# KiCad board demo_matrix2.kicad_pcb (continued)
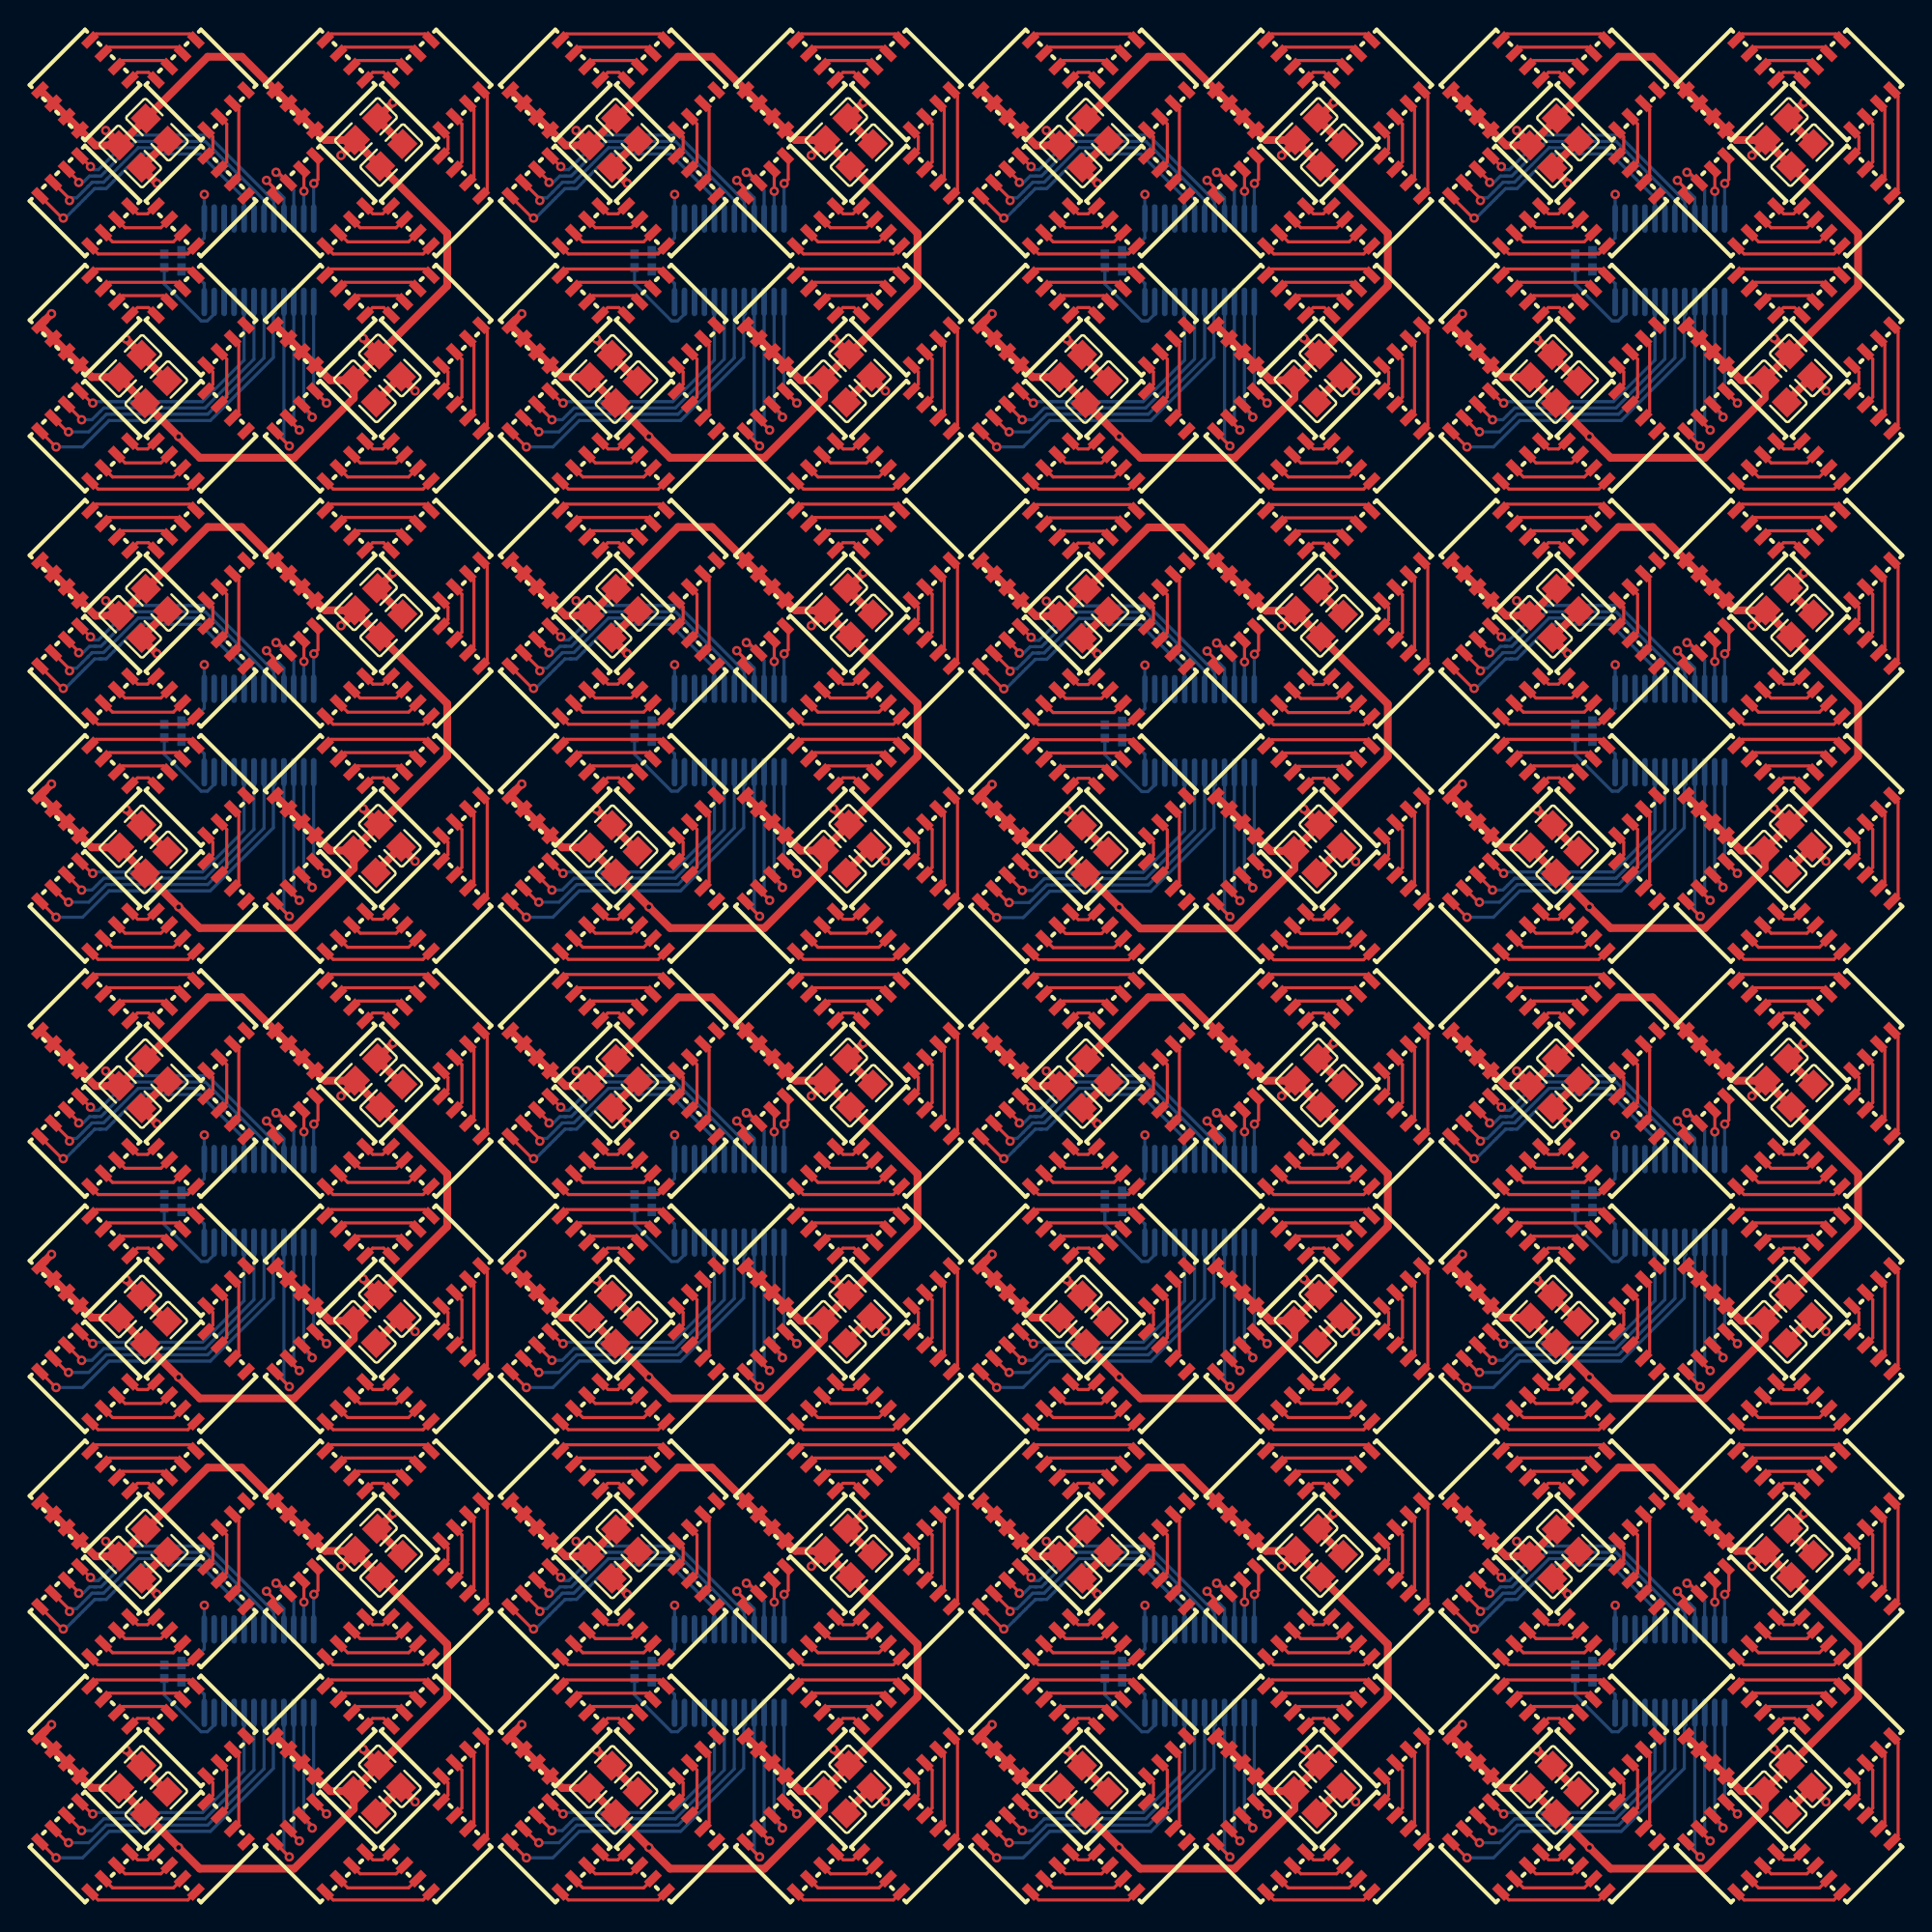
[diagram p0: board, top side]
## Nets (continued)
rgbs[2]-anodes-anode-20: LED166.3 LED167.4
rgbs[2]-anodes-anode-21: LED166.1 LED167.2
rgbs[2]-anodes-anode-22: LED166.5 LED167.6
rgbs[2]-anodes-anode-23: LED166.7 LED167.8
rgbs[2]-anodes-anode-24: LED170.3 LED171.4
rgbs[2]-anodes-anode-25: LED170.1 LED171.2
rgbs[2]-anodes-anode-26: LED170.5 LED171.6
rgbs[2]-anodes-anode-27: LED170.7 LED171.8
rgbs[2]-anodes-anode-28: LED174.3 LED175.4
rgbs[2]-anodes-anode-29: LED174.1 LED175.2
rgbs[2]-anodes-anode-30: LED174.5 LED175.6
rgbs[2]-anodes-anode-31: LED174.7 LED175.8
rgbs[2]-anodes-anode-32: LED178.3 LED179.4
rgbs[2]-anodes-anode-33: LED178.1 LED179.2
rgbs[2]-anodes-anode-34: LED178.5 LED179.6
rgbs[2]-anodes-anode-35: LED178.7 LED179.8
rgbs[2]-anodes-anode-36: LED182.3 LED183.4
rgbs[2]-anodes-anode-37: LED182.1 LED183.2
rgbs[2]-anodes-anode-38: LED182.5 LED183.6
rgbs[2]-anodes-anode-39: LED182.7 LED183.8
rgbs[2]-anodes-anode-40: LED186.3 LED187.4
rgbs[2]-anodes-anode-41: LED186.1 LED187.2
rgbs[2]-anodes-anode-42: LED186.5 LED187.6
rgbs[2]-anodes-anode-43: LED186.7 LED187.8
rgbs[2]-anodes-anode-44: LED190.3 LED191.4
rgbs[2]-anodes-anode-45: LED190.1 LED191.2
rgbs[2]-anodes-anode-46: LED190.5 LED191.6
rgbs[2]-anodes-anode-47: LED190.7 LED191.8
rgbs[2]-anodes-anode-48: LED194.3 LED195.4
rgbs[2]-anodes-anode-49: LED194.1 LED195.2
rgbs[2]-anodes-anode-50: LED194.5 LED195.6
rgbs[2]-anodes-anode-51: LED194.7 LED195.8
rgbs[2]-anodes-anode-52: LED198.3 LED199.4
rgbs[2]-anodes-anode-53: LED198.1 LED199.2
rgbs[2]-anodes-anode-54: LED198.5 LED199.6
rgbs[2]-anodes-anode-55: LED198.7 LED199.8
rgbs[2]-anodes-anode-56: LED202.3 LED203.4
rgbs[2]-anodes-anode-57: LED202.1 LED203.2
rgbs[2]-anodes-anode-58: LED202.5 LED203.6
rgbs[2]-anodes-anode-59: LED202.7 LED203.8
rgbs[2]-anodes-anode-60: LED206.3 LED207.4
rgbs[2]-anodes-anode-61: LED206.1 LED207.2
rgbs[2]-anodes-anode-62: LED206.5 LED207.6
rgbs[2]-anodes-anode-63: LED206.7 LED207.8
rgbs[2]-anodes-anode-64: LED210.3 LED211.4
rgbs[2]-anodes-anode-65: LED210.1 LED211.2
rgbs[2]-anodes-anode-66: LED210.5 LED211.6
rgbs[2]-anodes-anode-67: LED210.7 LED211.8
rgbs[2]-anodes-anode-68: LED214.3 LED215.4
rgbs[2]-anodes-anode-69: LED214.1 LED215.2
rgbs[2]-anodes-anode-70: LED214.5 LED215.6
rgbs[2]-anodes-anode-71: LED214.7 LED215.8
rgbs[2]-anodes-anode-72: LED218.3 LED219.4
rgbs[2]-anodes-anode-73: LED218.1 LED219.2
rgbs[2]-anodes-anode-74: LED218.5 LED219.6
rgbs[2]-anodes-anode-75: LED218.7 LED219.8
rgbs[2]-anodes-anode-76: LED222.3 LED223.4
rgbs[2]-anodes-anode-77: LED222.1 LED223.2
rgbs[2]-anodes-anode-78: LED222.5 LED223.6
rgbs[2]-anodes-anode-79: LED222.7 LED223.8
rgbs[2]-anodes-anode-80: LED226.3 LED227.4
rgbs[2]-anodes-anode-81: LED226.1 LED227.2
rgbs[2]-anodes-anode-82: LED226.5 LED227.6
rgbs[2]-anodes-anode-83: LED226.7 LED227.8
rgbs[2]-anodes-anode-84: LED230.3 LED231.4
rgbs[2]-anodes-anode-85: LED230.1 LED231.2
rgbs[2]-anodes-anode-86: LED230.5 LED231.6
rgbs[2]-anodes-anode-87: LED230.7 LED231.8
rgbs[2]-anodes-anode-88: LED234.3 LED235.4
rgbs[2]-anodes-anode-89: LED234.1 LED235.2
rgbs[2]-anodes-anode-90: LED234.5 LED235.6
rgbs[2]-anodes-anode-91: LED234.7 LED235.8
rgbs[2]-anodes-anode-92: LED238.3 LED239.4
rgbs[2]-anodes-anode-93: LED238.1 LED239.2
rgbs[2]-anodes-anode-94: LED238.5 LED239.6
rgbs[2]-anodes-anode-95: LED238.7 LED239.8
rgbs[2]-anodes-anode-96: LED242.3 LED243.4
rgbs[2]-anodes-anode-97: LED242.1 LED243.2
rgbs[2]-anodes-anode-98: LED242.5 LED243.6
rgbs[2]-anodes-anode-99: LED242.7 LED243.8
rgbs[2]-anodes-anode-100: LED246.3 LED247.4
rgbs[2]-anodes-anode-101: LED246.1 LED247.2
rgbs[2]-anodes-anode-102: LED246.5 LED247.6
rgbs[2]-anodes-anode-103: LED246.7 LED247.8
rgbs[2]-anodes-anode-104: LED250.3 LED251.4
rgbs[2]-anodes-anode-105: LED250.1 LED251.2
rgbs[2]-anodes-anode-106: LED250.5 LED251.6
rgbs[2]-anodes-anode-107: LED250.7 LED251.8
rgbs[2]-anodes-anode-108: LED254.3 LED255.4
rgbs[2]-anodes-anode-109: LED254.1 LED255.2
rgbs[2]-anodes-anode-110: LED254.5 LED255.6
rgbs[2]-anodes-anode-111: LED254.7 LED255.8
rgbs[2]-anodes-anode-112: LED18.3 LED19.4
rgbs[2]-anodes-anode-113: LED18.1 LED19.2
rgbs[2]-anodes-anode-114: LED18.5 LED19.6
rgbs[2]-anodes-anode-115: LED18.7 LED19.8
rgbs[2]-anodes-anode-116: LED22.3 LED23.4
rgbs[2]-anodes-anode-117: LED22.1 LED23.2
rgbs[2]-anodes-anode-118: LED22.5 LED23.6
rgbs[2]-anodes-anode-119: LED22.7 LED23.8
rgbs[2]-anodes-anode-120: LED26.3 LED27.4
rgbs[2]-anodes-anode-121: LED26.1 LED27.2
rgbs[2]-anodes-anode-122: LED26.5 LED27.6
rgbs[2]-anodes-anode-123: LED26.7 LED27.8
rgbs[2]-anodes-anode-124: LED30.3 LED31.4
rgbs[2]-anodes-anode-125: LED30.1 LED31.2
rgbs[2]-anodes-anode-126: LED30.5 LED31.6
rgbs[2]-anodes-anode-127: LED30.7 LED31.8
rgbs[2]-anodes-anode-128: LED34.3 LED35.4
rgbs[2]-anodes-anode-129: LED34.1 LED35.2
rgbs[2]-anodes-anode-130: LED34.5 LED35.6
rgbs[2]-anodes-anode-131: LED34.7 LED35.8
rgbs[2]-anodes-anode-132: LED38.3 LED39.4
rgbs[2]-anodes-anode-133: LED38.1 LED39.2
rgbs[2]-anodes-anode-134: LED38.5 LED39.6
rgbs[2]-anodes-anode-135: LED38.7 LED39.8
rgbs[2]-anodes-anode-136: LED42.3 LED43.4
rgbs[2]-anodes-anode-137: LED42.1 LED43.2
rgbs[2]-anodes-anode-138: LED42.5 LED43.6
rgbs[2]-anodes-anode-139: LED42.7 LED43.8
rgbs[2]-anodes-anode-140: LED46.3 LED47.4
rgbs[2]-anodes-anode-141: LED46.1 LED47.2
rgbs[2]-anodes-anode-142: LED46.5 LED47.6
rgbs[2]-anodes-anode-143: LED46.7 LED47.8
rgbs[2]-anodes-anode-144: LED50.3 LED51.4
rgbs[2]-anodes-anode-145: LED50.1 LED51.2
rgbs[2]-anodes-anode-146: LED50.5 LED51.6
rgbs[2]-anodes-anode-147: LED50.7 LED51.8
rgbs[2]-anodes-anode-148: LED54.3 LED55.4
rgbs[2]-anodes-anode-149: LED54.1 LED55.2
rgbs[2]-anodes-anode-150: LED54.5 LED55.6
rgbs[2]-anodes-anode-151: LED54.7 LED55.8
rgbs[2]-anodes-anode-152: LED58.3 LED59.4
rgbs[2]-anodes-anode-153: LED58.1 LED59.2
rgbs[2]-anodes-anode-154: LED58.5 LED59.6
rgbs[2]-anodes-anode-155: LED58.7 LED59.8
rgbs[2]-anodes-anode-156: LED62.3 LED63.4
rgbs[2]-anodes-anode-157: LED62.1 LED63.2
rgbs[2]-anodes-anode-158: LED62.5 LED63.6
rgbs[2]-anodes-anode-159: LED62.7 LED63.8
rgbs[2]-anodes-anode-160: LED66.3 LED67.4
rgbs[2]-anodes-anode-161: LED66.1 LED67.2
rgbs[2]-anodes-anode-162: LED66.5 LED67.6
rgbs[2]-anodes-anode-163: LED66.7 LED67.8
rgbs[2]-anodes-anode-164: LED70.3 LED71.4
rgbs[2]-anodes-anode-165: LED70.1 LED71.2
rgbs[2]-anodes-anode-166: LED70.5 LED71.6
rgbs[2]-anodes-anode-167: LED70.7 LED71.8
rgbs[2]-anodes-anode-168: LED74.3 LED75.4
rgbs[2]-anodes-anode-169: LED74.1 LED75.2
rgbs[2]-anodes-anode-170: LED74.5 LED75.6
rgbs[2]-anodes-anode-171: LED74.7 LED75.8
rgbs[2]-anodes-anode-172: LED78.3 LED79.4
rgbs[2]-anodes-anode-173: LED78.1 LED79.2
rgbs[2]-anodes-anode-174: LED78.5 LED79.6
rgbs[2]-anodes-anode-175: LED78.7 LED79.8
rgbs[2]-anodes-anode-176: LED82.3 LED83.4
rgbs[2]-anodes-anode-177: LED82.1 LED83.2
rgbs[2]-anodes-anode-178: LED82.5 LED83.6
rgbs[2]-anodes-anode-179: LED82.7 LED83.8
rgbs[2]-anodes-anode-180: LED86.3 LED87.4
rgbs[2]-anodes-anode-181: LED86.1 LED87.2
rgbs[2]-anodes-anode-182: LED86.5 LED87.6
rgbs[2]-anodes-anode-183: LED86.7 LED87.8
rgbs[2]-anodes-anode-184: LED90.3 LED91.4
rgbs[2]-anodes-anode-185: LED90.1 LED91.2
rgbs[2]-anodes-anode-186: LED90.5 LED91.6
rgbs[2]-anodes-anode-187: LED90.7 LED91.8
rgbs[2]-anodes-anode-188: LED94.3 LED95.4
rgbs[2]-anodes-anode-189: LED94.1 LED95.2
rgbs[2]-anodes-anode-190: LED94.5 LED95.6
rgbs[2]-anodes-anode-191: LED94.7 LED95.8
rgbs[2]-anodes-anode-192: LED98.3 LED99.4
rgbs[2]-anodes-anode-193: LED98.1 LED99.2
rgbs[2]-anodes-anode-194: LED98.5 LED99.6
rgbs[2]-anodes-anode-195: LED98.7 LED99.8
rgbs[2]-anodes-anode-196: LED102.3 LED103.4
rgbs[2]-anodes-anode-197: LED102.1 LED103.2
rgbs[2]-anodes-anode-198: LED102.5 LED103.6
rgbs[2]-anodes-anode-199: LED102.7 LED103.8
rgbs[2]-anodes-anode-200: LED106.3 LED107.4
rgbs[2]-anodes-anode-201: LED106.1 LED107.2
rgbs[2]-anodes-anode-202: LED106.5 LED107.6
rgbs[2]-anodes-anode-203: LED106.7 LED107.8
rgbs[2]-anodes-anode-204: LED110.3 LED111.4
rgbs[2]-anodes-anode-205: LED110.1 LED111.2
rgbs[2]-anodes-anode-206: LED110.5 LED111.6
rgbs[2]-anodes-anode-207: LED110.7 LED111.8
rgbs[2]-anodes-anode-208: LED114.3 LED115.4
rgbs[2]-anodes-anode-209: LED114.1 LED115.2
rgbs[2]-anodes-anode-210: LED114.5 LED115.6
rgbs[2]-anodes-anode-211: LED114.7 LED115.8
rgbs[2]-anodes-anode-212: LED118.3 LED119.4
rgbs[2]-anodes-anode-213: LED118.1 LED119.2
rgbs[2]-anodes-anode-214: LED118.5 LED119.6
rgbs[2]-anodes-anode-215: LED118.7 LED119.8
rgbs[2]-anodes-anode-216: LED122.3 LED123.4
rgbs[2]-anodes-anode-217: LED122.1 LED123.2
rgbs[2]-anodes-anode-218: LED122.5 LED123.6
rgbs[2]-anodes-anode-219: LED122.7 LED123.8
rgbs[2]-anodes-anode-220: LED126.3 LED127.4
rgbs[2]-anodes-anode-221: LED126.1 LED127.2
rgbs[2]-anodes-anode-222: LED126.5 LED127.6
rgbs[2]-anodes-anode-223: LED126.7 LED127.8
rgbs[2]-anodes-anode-224: LED130.3 LED131.4
rgbs[2]-anodes-anode-225: LED130.1 LED131.2
rgbs[2]-anodes-anode-226: LED130.5 LED131.6
rgbs[2]-anodes-anode-227: LED130.7 LED131.8
rgbs[2]-anodes-anode-228: LED134.3 LED135.4
rgbs[2]-anodes-anode-229: LED134.1 LED135.2
rgbs[2]-anodes-anode-230: LED134.5 LED135.6
rgbs[2]-anodes-anode-231: LED134.7 LED135.8
rgbs[2]-anodes-anode-232: LED138.3 LED139.4
rgbs[2]-anodes-anode-233: LED138.1 LED139.2
rgbs[2]-anodes-anode-234: LED138.5 LED139.6
rgbs[2]-anodes-anode-235: LED138.7 LED139.8
rgbs[2]-anodes-anode-236: LED142.3 LED143.4
rgbs[2]-anodes-anode-237: LED142.1 LED143.2
rgbs[2]-anodes-anode-238: LED142.5 LED143.6
rgbs[2]-anodes-anode-239: LED142.7 LED143.8
rgbs[2]-anodes-anode-240: LED146.3 LED147.4
rgbs[2]-anodes-anode-241: LED146.1 LED147.2
rgbs[2]-anodes-anode-242: LED146.5 LED147.6
rgbs[2]-anodes-anode-243: LED146.7 LED147.8
rgbs[2]-anodes-anode-244: LED150.3 LED151.4
rgbs[2]-anodes-anode-245: LED150.1 LED151.2
rgbs[2]-anodes-anode-246: LED150.5 LED151.6
rgbs[2]-anodes-anode-247: LED150.7 LED151.8
rgbs[2]-anodes-anode-248: LED154.3 LED155.4
rgbs[2]-anodes-anode-249: LED154.1 LED155.2
rgbs[2]-anodes-anode-250: LED154.5 LED155.6
rgbs[2]-anodes-anode-251: LED154.7 LED155.8
rgbs[2]-anodes-anode-252: LED158.3 LED159.4
rgbs[2]-anodes-anode-253: LED158.1 LED159.2
rgbs[2]-anodes-anode-254: LED158.5 LED159.6
rgbs[2]-anodes-anode-255: LED158.7 LED159.8
rgbs[3]-anodes-anode-0: LED3.3 LED4.4
rgbs[3]-anodes-anode-1: LED3.1 LED4.2
rgbs[3]-anodes-anode-2: LED3.5 LED4.6
rgbs[3]-anodes-anode-3: LED3.7 LED4.8
rgbs[3]-anodes-anode-4: LED7.3 LED8.4
rgbs[3]-anodes-anode-5: LED7.1 LED8.2
rgbs[3]-anodes-anode-6: LED7.5 LED8.6
rgbs[3]-anodes-anode-7: LED7.7 LED8.8
rgbs[3]-anodes-anode-8: LED11.3 LED12.4
rgbs[3]-anodes-anode-9: LED11.1 LED12.2
rgbs[3]-anodes-anode-10: LED11.5 LED12.6
rgbs[3]-anodes-anode-11: LED11.7 LED12.8
rgbs[3]-anodes-anode-12: LED15.3 LED16.4
rgbs[3]-anodes-anode-13: LED15.1 LED16.2
rgbs[3]-anodes-anode-14: LED15.5 LED16.6
rgbs[3]-anodes-anode-15: LED15.7 LED16.8
rgbs[3]-anodes-anode-16: LED163.3 LED164.4
rgbs[3]-anodes-anode-17: LED163.1 LED164.2
rgbs[3]-anodes-anode-18: LED163.5 LED164.6
rgbs[3]-anodes-anode-19: LED163.7 LED164.8
rgbs[3]-anodes-anode-20: LED167.3 LED168.4
rgbs[3]-anodes-anode-21: LED167.1 LED168.2
rgbs[3]-anodes-anode-22: LED167.5 LED168.6
rgbs[3]-anodes-anode-23: LED167.7 LED168.8
rgbs[3]-anodes-anode-24: LED171.3 LED172.4
rgbs[3]-anodes-anode-25: LED171.1 LED172.2
rgbs[3]-anodes-anode-26: LED171.5 LED172.6
rgbs[3]-anodes-anode-27: LED171.7 LED172.8
rgbs[3]-anodes-anode-28: LED175.3 LED176.4
rgbs[3]-anodes-anode-29: LED175.1 LED176.2
rgbs[3]-anodes-anode-30: LED175.5 LED176.6
rgbs[3]-anodes-anode-31: LED175.7 LED176.8
rgbs[3]-anodes-anode-32: LED179.3 LED180.4
rgbs[3]-anodes-anode-33: LED179.1 LED180.2
rgbs[3]-anodes-anode-34: LED179.5 LED180.6
rgbs[3]-anodes-anode-35: LED179.7 LED180.8
rgbs[3]-anodes-anode-36: LED183.3 LED184.4
rgbs[3]-anodes-anode-37: LED183.1 LED184.2
rgbs[3]-anodes-anode-38: LED183.5 LED184.6
rgbs[3]-anodes-anode-39: LED183.7 LED184.8
rgbs[3]-anodes-anode-40: LED187.3 LED188.4
rgbs[3]-anodes-anode-41: LED187.1 LED188.2
rgbs[3]-anodes-anode-42: LED187.5 LED188.6
rgbs[3]-anodes-anode-43: LED187.7 LED188.8
rgbs[3]-anodes-anode-44: LED191.3 LED192.4
rgbs[3]-anodes-anode-45: LED191.1 LED192.2
rgbs[3]-anodes-anode-46: LED191.5 LED192.6
rgbs[3]-anodes-anode-47: LED191.7 LED192.8
rgbs[3]-anodes-anode-48: LED195.3 LED196.4
rgbs[3]-anodes-anode-49: LED195.1 LED196.2
rgbs[3]-anodes-anode-50: LED195.5 LED196.6
rgbs[3]-anodes-anode-51: LED195.7 LED196.8
rgbs[3]-anodes-anode-52: LED199.3 LED200.4
rgbs[3]-anodes-anode-53: LED199.1 LED200.2
rgbs[3]-anodes-anode-54: LED199.5 LED200.6
rgbs[3]-anodes-anode-55: LED199.7 LED200.8
rgbs[3]-anodes-anode-56: LED203.3 LED204.4
rgbs[3]-anodes-anode-57: LED203.1 LED204.2
rgbs[3]-anodes-anode-58: LED203.5 LED204.6
rgbs[3]-anodes-anode-59: LED203.7 LED204.8
rgbs[3]-anodes-anode-60: LED207.3 LED208.4
rgbs[3]-anodes-anode-61: LED207.1 LED208.2
rgbs[3]-anodes-anode-62: LED207.5 LED208.6
rgbs[3]-anodes-anode-63: LED207.7 LED208.8
rgbs[3]-anodes-anode-64: LED211.3 LED212.4
rgbs[3]-anodes-anode-65: LED211.1 LED212.2
rgbs[3]-anodes-anode-66: LED211.5 LED212.6
rgbs[3]-anodes-anode-67: LED211.7 LED212.8
rgbs[3]-anodes-anode-68: LED215.3 LED216.4
rgbs[3]-anodes-anode-69: LED215.1 LED216.2
rgbs[3]-anodes-anode-70: LED215.5 LED216.6
rgbs[3]-anodes-anode-71: LED215.7 LED216.8
rgbs[3]-anodes-anode-72: LED219.3 LED220.4
rgbs[3]-anodes-anode-73: LED219.1 LED220.2
rgbs[3]-anodes-anode-74: LED219.5 LED220.6
rgbs[3]-anodes-anode-75: LED219.7 LED220.8
rgbs[3]-anodes-anode-76: LED223.3 LED224.4
rgbs[3]-anodes-anode-77: LED223.1 LED224.2
rgbs[3]-anodes-anode-78: LED223.5 LED224.6
rgbs[3]-anodes-anode-79: LED223.7 LED224.8
rgbs[3]-anodes-anode-80: LED227.3 LED228.4
rgbs[3]-anodes-anode-81: LED227.1 LED228.2
rgbs[3]-anodes-anode-82: LED227.5 LED228.6
rgbs[3]-anodes-anode-83: LED227.7 LED228.8
rgbs[3]-anodes-anode-84: LED231.3 LED232.4
rgbs[3]-anodes-anode-85: LED231.1 LED232.2
rgbs[3]-anodes-anode-86: LED231.5 LED232.6
rgbs[3]-anodes-anode-87: LED231.7 LED232.8
rgbs[3]-anodes-anode-88: LED235.3 LED236.4
rgbs[3]-anodes-anode-89: LED235.1 LED236.2
rgbs[3]-anodes-anode-90: LED235.5 LED236.6
rgbs[3]-anodes-anode-91: LED235.7 LED236.8
rgbs[3]-anodes-anode-92: LED239.3 LED240.4
rgbs[3]-anodes-anode-93: LED239.1 LED240.2
rgbs[3]-anodes-anode-94: LED239.5 LED240.6
rgbs[3]-anodes-anode-95: LED239.7 LED240.8
rgbs[3]-anodes-anode-96: LED243.3 LED244.4
rgbs[3]-anodes-anode-97: LED243.1 LED244.2
rgbs[3]-anodes-anode-98: LED243.5 LED244.6
rgbs[3]-anodes-anode-99: LED243.7 LED244.8
rgbs[3]-anodes-anode-100: LED247.3 LED248.4
rgbs[3]-anodes-anode-101: LED247.1 LED248.2
rgbs[3]-anodes-anode-102: LED247.5 LED248.6
rgbs[3]-anodes-anode-103: LED247.7 LED248.8
rgbs[3]-anodes-anode-104: LED251.3 LED252.4
rgbs[3]-anodes-anode-105: LED251.1 LED252.2
rgbs[3]-anodes-anode-106: LED251.5 LED252.6
rgbs[3]-anodes-anode-107: LED251.7 LED252.8
rgbs[3]-anodes-anode-108: LED255.3 LED256.4
rgbs[3]-anodes-anode-109: LED255.1 LED256.2
rgbs[3]-anodes-anode-110: LED255.5 LED256.6
rgbs[3]-anodes-anode-111: LED255.7 LED256.8
rgbs[3]-anodes-anode-112: LED19.3 LED20.4
rgbs[3]-anodes-anode-113: LED19.1 LED20.2
rgbs[3]-anodes-anode-114: LED19.5 LED20.6
rgbs[3]-anodes-anode-115: LED19.7 LED20.8
rgbs[3]-anodes-anode-116: LED23.3 LED24.4
rgbs[3]-anodes-anode-117: LED23.1 LED24.2
rgbs[3]-anodes-anode-118: LED23.5 LED24.6
rgbs[3]-anodes-anode-119: LED23.7 LED24.8
rgbs[3]-anodes-anode-120: LED27.3 LED28.4
rgbs[3]-anodes-anode-121: LED27.1 LED28.2
rgbs[3]-anodes-anode-122: LED27.5 LED28.6
rgbs[3]-anodes-anode-123: LED27.7 LED28.8
rgbs[3]-anodes-anode-124: LED31.3 LED32.4
rgbs[3]-anodes-anode-125: LED31.1 LED32.2
rgbs[3]-anodes-anode-126: LED31.5 LED32.6
rgbs[3]-anodes-anode-127: LED31.7 LED32.8
rgbs[3]-anodes-anode-128: LED35.3 LED36.4
rgbs[3]-anodes-anode-129: LED35.1 LED36.2
rgbs[3]-anodes-anode-130: LED35.5 LED36.6
rgbs[3]-anodes-anode-131: LED35.7 LED36.8
rgbs[3]-anodes-anode-132: LED39.3 LED40.4
rgbs[3]-anodes-anode-133: LED39.1 LED40.2
rgbs[3]-anodes-anode-134: LED39.5 LED40.6
rgbs[3]-anodes-anode-135: LED39.7 LED40.8
rgbs[3]-anodes-anode-136: LED43.3 LED44.4
rgbs[3]-anodes-anode-137: LED43.1 LED44.2
rgbs[3]-anodes-anode-138: LED43.5 LED44.6
rgbs[3]-anodes-anode-139: LED43.7 LED44.8
rgbs[3]-anodes-anode-140: LED47.3 LED48.4
rgbs[3]-anodes-anode-141: LED47.1 LED48.2
rgbs[3]-anodes-anode-142: LED47.5 LED48.6
rgbs[3]-anodes-anode-143: LED47.7 LED48.8
rgbs[3]-anodes-anode-144: LED51.3 LED52.4
rgbs[3]-anodes-anode-145: LED51.1 LED52.2
rgbs[3]-anodes-anode-146: LED51.5 LED52.6
rgbs[3]-anodes-anode-147: LED51.7 LED52.8
rgbs[3]-anodes-anode-148: LED55.3 LED56.4
rgbs[3]-anodes-anode-149: LED55.1 LED56.2
rgbs[3]-anodes-anode-150: LED55.5 LED56.6
rgbs[3]-anodes-anode-151: LED55.7 LED56.8
rgbs[3]-anodes-anode-152: LED59.3 LED60.4
rgbs[3]-anodes-anode-153: LED59.1 LED60.2
rgbs[3]-anodes-anode-154: LED59.5 LED60.6
rgbs[3]-anodes-anode-155: LED59.7 LED60.8
rgbs[3]-anodes-anode-156: LED63.3 LED64.4
rgbs[3]-anodes-anode-157: LED63.1 LED64.2
rgbs[3]-anodes-anode-158: LED63.5 LED64.6
rgbs[3]-anodes-anode-159: LED63.7 LED64.8
rgbs[3]-anodes-anode-160: LED67.3 LED68.4
rgbs[3]-anodes-anode-161: LED67.1 LED68.2
rgbs[3]-anodes-anode-162: LED67.5 LED68.6
rgbs[3]-anodes-anode-163: LED67.7 LED68.8
rgbs[3]-anodes-anode-164: LED71.3 LED72.4
rgbs[3]-anodes-anode-165: LED71.1 LED72.2
rgbs[3]-anodes-anode-166: LED71.5 LED72.6
rgbs[3]-anodes-anode-167: LED71.7 LED72.8
rgbs[3]-anodes-anode-168: LED75.3 LED76.4
rgbs[3]-anodes-anode-169: LED75.1 LED76.2
rgbs[3]-anodes-anode-170: LED75.5 LED76.6
rgbs[3]-anodes-anode-171: LED75.7 LED76.8
rgbs[3]-anodes-anode-172: LED79.3 LED80.4
rgbs[3]-anodes-anode-173: LED79.1 LED80.2
rgbs[3]-anodes-anode-174: LED79.5 LED80.6
rgbs[3]-anodes-anode-175: LED79.7 LED80.8
rgbs[3]-anodes-anode-176: LED83.3 LED84.4
rgbs[3]-anodes-anode-177: LED83.1 LED84.2
rgbs[3]-anodes-anode-178: LED83.5 LED84.6
rgbs[3]-anodes-anode-179: LED83.7 LED84.8
rgbs[3]-anodes-anode-180: LED87.3 LED88.4
rgbs[3]-anodes-anode-181: LED87.1 LED88.2
rgbs[3]-anodes-anode-182: LED87.5 LED88.6
rgbs[3]-anodes-anode-183: LED87.7 LED88.8
rgbs[3]-anodes-anode-184: LED91.3 LED92.4
rgbs[3]-anodes-anode-185: LED91.1 LED92.2
rgbs[3]-anodes-anode-186: LED91.5 LED92.6
rgbs[3]-anodes-anode-187: LED91.7 LED92.8
rgbs[3]-anodes-anode-188: LED95.3 LED96.4
rgbs[3]-anodes-anode-189: LED95.1 LED96.2
rgbs[3]-anodes-anode-190: LED95.5 LED96.6
rgbs[3]-anodes-anode-191: LED95.7 LED96.8
rgbs[3]-anodes-anode-192: LED99.3 LED100.4
rgbs[3]-anodes-anode-193: LED99.1 LED100.2
rgbs[3]-anodes-anode-194: LED99.5 LED100.6
rgbs[3]-anodes-anode-195: LED99.7 LED100.8
rgbs[3]-anodes-anode-196: LED103.3 LED104.4
rgbs[3]-anodes-anode-197: LED103.1 LED104.2
rgbs[3]-anodes-anode-198: LED103.5 LED104.6
rgbs[3]-anodes-anode-199: LED103.7 LED104.8
rgbs[3]-anodes-anode-200: LED107.3 LED108.4
rgbs[3]-anodes-anode-201: LED107.1 LED108.2
rgbs[3]-anodes-anode-202: LED107.5 LED108.6
rgbs[3]-anodes-anode-203: LED107.7 LED108.8
rgbs[3]-anodes-anode-204: LED111.3 LED112.4
rgbs[3]-anodes-anode-205: LED111.1 LED112.2
rgbs[3]-anodes-anode-206: LED111.5 LED112.6
rgbs[3]-anodes-anode-207: LED111.7 LED112.8
rgbs[3]-anodes-anode-208: LED115.3 LED116.4
rgbs[3]-anodes-anode-209: LED115.1 LED116.2
rgbs[3]-anodes-anode-210: LED115.5 LED116.6
rgbs[3]-anodes-anode-211: LED115.7 LED116.8
rgbs[3]-anodes-anode-212: LED119.3 LED120.4
rgbs[3]-anodes-anode-213: LED119.1 LED120.2
rgbs[3]-anodes-anode-214: LED119.5 LED120.6
rgbs[3]-anodes-anode-215: LED119.7 LED120.8
rgbs[3]-anodes-anode-216: LED123.3 LED124.4
rgbs[3]-anodes-anode-217: LED123.1 LED124.2
rgbs[3]-anodes-anode-218: LED123.5 LED124.6
rgbs[3]-anodes-anode-219: LED123.7 LED124.8
rgbs[3]-anodes-anode-220: LED127.3 LED128.4
rgbs[3]-anodes-anode-221: LED127.1 LED128.2
rgbs[3]-anodes-anode-222: LED127.5 LED128.6
rgbs[3]-anodes-anode-223: LED127.7 LED128.8
rgbs[3]-anodes-anode-224: LED131.3 LED132.4
rgbs[3]-anodes-anode-225: LED131.1 LED132.2
rgbs[3]-anodes-anode-226: LED131.5 LED132.6
rgbs[3]-anodes-anode-227: LED131.7 LED132.8
rgbs[3]-anodes-anode-228: LED135.3 LED136.4
rgbs[3]-anodes-anode-229: LED135.1 LED136.2
rgbs[3]-anodes-anode-230: LED135.5 LED136.6
rgbs[3]-anodes-anode-231: LED135.7 LED136.8
rgbs[3]-anodes-anode-232: LED139.3 LED140.4
rgbs[3]-anodes-anode-233: LED139.1 LED140.2
rgbs[3]-anodes-anode-234: LED139.5 LED140.6
rgbs[3]-anodes-anode-235: LED139.7 LED140.8
rgbs[3]-anodes-anode-236: LED143.3 LED144.4
rgbs[3]-anodes-anode-237: LED143.1 LED144.2
rgbs[3]-anodes-anode-238: LED143.5 LED144.6
rgbs[3]-anodes-anode-239: LED143.7 LED144.8
rgbs[3]-anodes-anode-240: LED147.3 LED148.4
rgbs[3]-anodes-anode-241: LED147.1 LED148.2
rgbs[3]-anodes-anode-242: LED147.5 LED148.6
rgbs[3]-anodes-anode-243: LED147.7 LED148.8
rgbs[3]-anodes-anode-244: LED151.3 LED152.4
rgbs[3]-anodes-anode-245: LED151.1 LED152.2
rgbs[3]-anodes-anode-246: LED151.5 LED152.6
rgbs[3]-anodes-anode-247: LED151.7 LED152.8
rgbs[3]-anodes-anode-248: LED155.3 LED156.4
rgbs[3]-anodes-anode-249: LED155.1 LED156.2
rgbs[3]-anodes-anode-250: LED155.5 LED156.6
rgbs[3]-anodes-anode-251: LED155.7 LED156.8
rgbs[3]-anodes-anode-252: LED159.3 LED160.4
rgbs[3]-anodes-anode-253: LED159.1 LED160.2
rgbs[3]-anodes-anode-254: LED159.5 LED160.6
rgbs[3]-anodes-anode-255: LED159.7 LED160.8
rgbs[3]-cathodes-cathode-0: LED4.1 U1.5
rgbs[3]-cathodes-cathode-1: LED16.3 U1.15
rgbs[3]-cathodes-cathode-2: LED16.1 U1.16
rgbs[3]-cathodes-cathode-3: LED12.1 U1.17
rgbs[3]-cathodes-cathode-4: LED12.3 U1.18
rgbs[3]-cathodes-cathode-5: LED12.5 U1.19
rgbs[3]-cathodes-cathode-6: LED12.7 U1.20
rgbs[3]-cathodes-cathode-7: LED4.3 U1.6
rgbs[3]-cathodes-cathode-8: LED4.5 U1.7
rgbs[3]-cathodes-cathode-9: LED4.7 U1.8
rgbs[3]-cathodes-cathode-10: LED8.1 U1.9
rgbs[3]-cathodes-cathode-11: LED8.3 U1.10
rgbs[3]-cathodes-cathode-12: LED8.5 U1.11
rgbs[3]-cathodes-cathode-13: LED8.7 U1.12
rgbs[3]-cathodes-cathode-14: LED16.7 U1.13
rgbs[3]-cathodes-cathode-15: LED16.5 U1.14
rgbs[3]-cathodes-cathode-16: LED164.1 U51.5
rgbs[3]-cathodes-cathode-17: LED176.3 U51.15
rgbs[3]-cathodes-cathode-18: LED176.1 U51.16
rgbs[3]-cathodes-cathode-19: LED172.1 U51.17
rgbs[3]-cathodes-cathode-20: LED172.3 U51.18
rgbs[3]-cathodes-cathode-21: LED172.5 U51.19
rgbs[3]-cathodes-cathode-22: LED172.7 U51.20
rgbs[3]-cathodes-cathode-23: LED164.3 U51.6
rgbs[3]-cathodes-cathode-24: LED164.5 U51.7
rgbs[3]-cathodes-cathode-25: LED164.7 U51.8
rgbs[3]-cathodes-cathode-26: LED168.1 U51.9
rgbs[3]-cathodes-cathode-27: LED168.3 U51.10
rgbs[3]-cathodes-cathode-28: LED168.5 U51.11
rgbs[3]-cathodes-cathode-29: LED168.7 U51.12
rgbs[3]-cathodes-cathode-30: LED176.7 U51.13
rgbs[3]-cathodes-cathode-31: LED176.5 U51.14
rgbs[3]-cathodes-cathode-32: LED180.1 U56.5
rgbs[3]-cathodes-cathode-33: LED192.3 U56.15
rgbs[3]-cathodes-cathode-34: LED192.1 U56.16
rgbs[3]-cathodes-cathode-35: LED188.1 U56.17
rgbs[3]-cathodes-cathode-36: LED188.3 U56.18
rgbs[3]-cathodes-cathode-37: LED188.5 U56.19
rgbs[3]-cathodes-cathode-38: LED188.7 U56.20
rgbs[3]-cathodes-cathode-39: LED180.3 U56.6
rgbs[3]-cathodes-cathode-40: LED180.5 U56.7
rgbs[3]-cathodes-cathode-41: LED180.7 U56.8
rgbs[3]-cathodes-cathode-42: LED184.1 U56.9
rgbs[3]-cathodes-cathode-43: LED184.3 U56.10
rgbs[3]-cathodes-cathode-44: LED184.5 U56.11
rgbs[3]-cathodes-cathode-45: LED184.7 U56.12
rgbs[3]-cathodes-cathode-46: LED192.7 U56.13
rgbs[3]-cathodes-cathode-47: LED192.5 U56.14
rgbs[3]-cathodes-cathode-48: LED196.1 U61.5
rgbs[3]-cathodes-cathode-49: LED208.3 U61.15
rgbs[3]-cathodes-cathode-50: LED208.1 U61.16
rgbs[3]-cathodes-cathode-51: LED204.1 U61.17
rgbs[3]-cathodes-cathode-52: LED204.3 U61.18
rgbs[3]-cathodes-cathode-53: LED204.5 U61.19
rgbs[3]-cathodes-cathode-54: LED204.7 U61.20
rgbs[3]-cathodes-cathode-55: LED196.3 U61.6
rgbs[3]-cathodes-cathode-56: LED196.5 U61.7
rgbs[3]-cathodes-cathode-57: LED196.7 U61.8
rgbs[3]-cathodes-cathode-58: LED200.1 U61.9
rgbs[3]-cathodes-cathode-59: LED200.3 U61.10
rgbs[3]-cathodes-cathode-60: LED200.5 U61.11
rgbs[3]-cathodes-cathode-61: LED200.7 U61.12
rgbs[3]-cathodes-cathode-62: LED208.7 U61.13
rgbs[3]-cathodes-cathode-63: LED208.5 U61.14
rgbs[3]-cathodes-cathode-64: LED212.1 U66.5
rgbs[3]-cathodes-cathode-65: LED224.3 U66.15
rgbs[3]-cathodes-cathode-66: LED224.1 U66.16
rgbs[3]-cathodes-cathode-67: LED220.1 U66.17
rgbs[3]-cathodes-cathode-68: LED220.3 U66.18
rgbs[3]-cathodes-cathode-69: LED220.5 U66.19
rgbs[3]-cathodes-cathode-70: LED220.7 U66.20
rgbs[3]-cathodes-cathode-71: LED212.3 U66.6
rgbs[3]-cathodes-cathode-72: LED212.5 U66.7
rgbs[3]-cathodes-cathode-73: LED212.7 U66.8
rgbs[3]-cathodes-cathode-74: LED216.1 U66.9
rgbs[3]-cathodes-cathode-75: LED216.3 U66.10
rgbs[3]-cathodes-cathode-76: LED216.5 U66.11
rgbs[3]-cathodes-cathode-77: LED216.7 U66.12
rgbs[3]-cathodes-cathode-78: LED224.7 U66.13
rgbs[3]-cathodes-cathode-79: LED224.5 U66.14
rgbs[3]-cathodes-cathode-80: LED228.1 U71.5
rgbs[3]-cathodes-cathode-81: LED240.3 U71.15
rgbs[3]-cathodes-cathode-82: LED240.1 U71.16
rgbs[3]-cathodes-cathode-83: LED236.1 U71.17
rgbs[3]-cathodes-cathode-84: LED236.3 U71.18
rgbs[3]-cathodes-cathode-85: LED236.5 U71.19
rgbs[3]-cathodes-cathode-86: LED236.7 U71.20
rgbs[3]-cathodes-cathode-87: LED228.3 U71.6
